# KiCad board Floppy Board v3.1.kicad_pcb
title: Floppy board 3.0; date: 2023-02-17; rev: 3.0
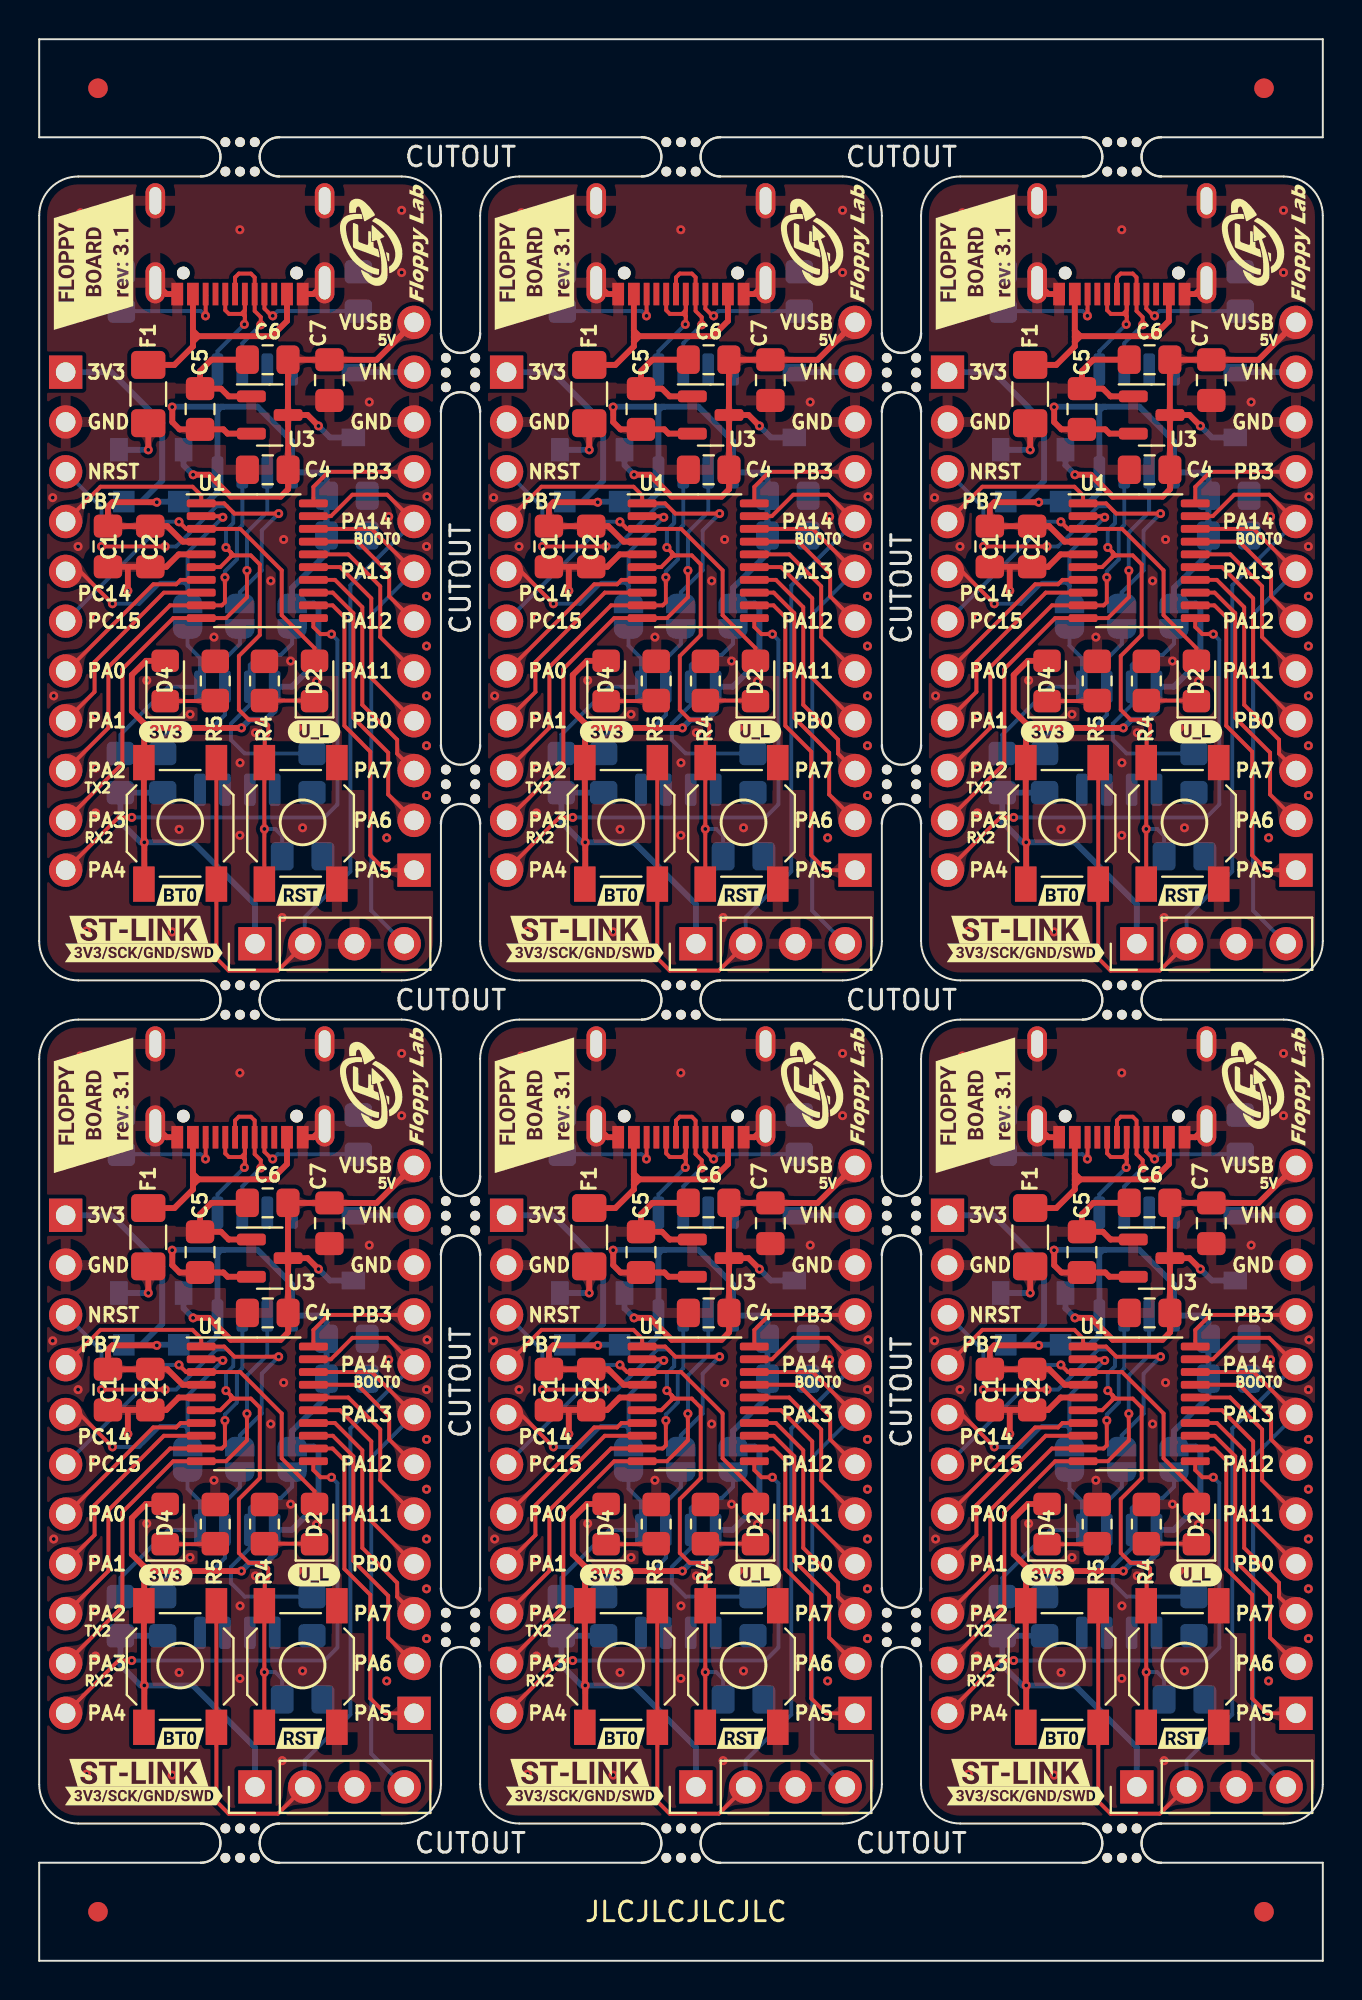
[diagram p0: board, top side]
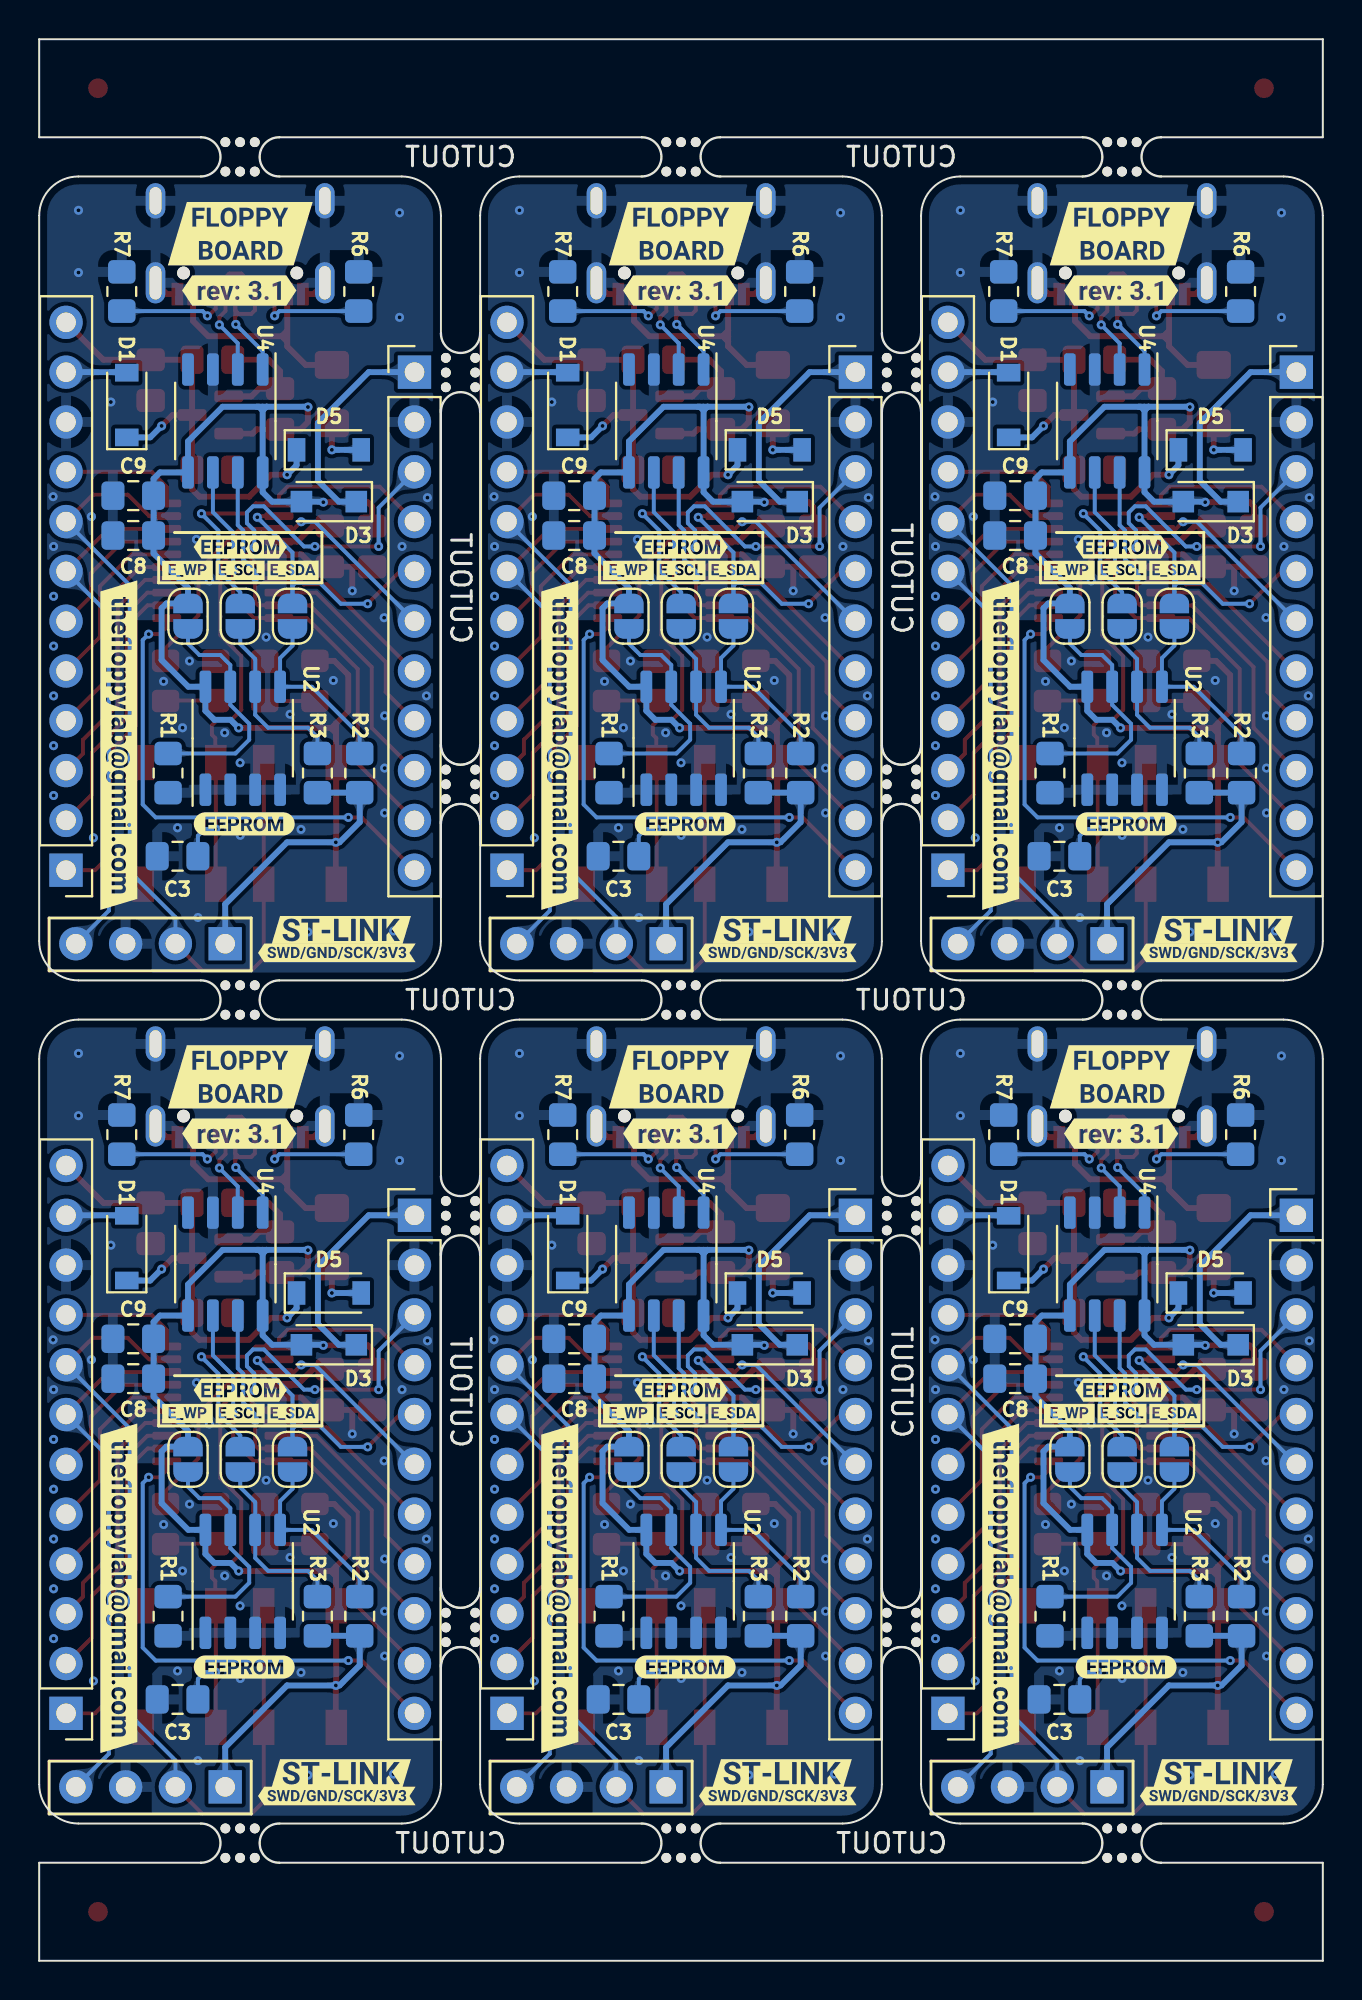
[diagram p1: board, bottom side, seen from below]

Outline 65.5 x 98 mm; copper layers: Top, Bottom. Coordinates in mm from the lower left corner of the outline.
Outline path: 8.25,93 0,93 0,98 65.5,98 65.5,93 57.25,93 ; 8.25,91 2,91 arc(0.59,90.41) 0,89 0,52 arc(0.59,50.59) 2,50 8.25,50 ; 8.25,48 2,48 arc(0.59,47.41) 0,46 0,9 arc(0.59,7.59) 2,7 8.25,7 ; 8.25,5 0,5 0,0 65.5,0 65.5,5 57.25,5 ; 12.25,93 30.75,93 ; 12.25,50 18.5,50 arc(19.91,50.59) 20.5,52 20.5,58 ; 12.25,48 18.5,48 arc(19.91,47.41) 20.5,46 20.5,40 ; 12.25,7 18.5,7 arc(19.91,7.59) 20.5,9 20.5,15 ; 12.25,91 18.5,91 arc(19.91,90.41) 20.5,89 20.5,83 ; 20.5,79 20.5,62 ; 20.5,19 20.5,36 ; 22.5,83 22.5,89 arc(23.09,90.41) 24.5,91 30.75,91 ; 22.5,79 22.5,62 ; 22.5,58 22.5,52 arc(23.09,50.59) 24.5,50 30.75,50 ; 22.5,40 22.5,46 arc(23.09,47.41) 24.5,48 30.75,48 ; 22.5,36 22.5,19 ; 22.5,15 22.5,9 arc(23.09,7.59) 24.5,7 30.75,7 ; 30.75,5 12.25,5 ; 34.75,93 53.25,93 ; 34.75,50 41,50 arc(42.41,50.59) 43,52 43,58 ; 34.75,48 41,48 arc(42.41,47.41) 43,46 43,40 ; 34.75,7 41,7 arc(42.41,7.59) 43,9 43,15 ; 34.75,5 53.25,5 ; 34.75,91 41,91 arc(42.41,90.41) 43,89 43,83 ; 43,79 43,62 ; 43,19 43,36 ; 45,83 45,89 arc(45.59,90.41) 47,91 53.25,91 ; 45,62 45,79 ; 45,58 45,52 arc(45.59,50.59) 47,50 53.25,50 ; 45,40 45,46 arc(45.59,47.41) 47,48 53.25,48 ; 45,36 45,19 ; 45,15 45,9 arc(45.59,7.59) 47,7 53.25,7 ; 57.25,50 63.5,50 arc(64.91,50.59) 65.5,52 65.5,89 arc(64.91,90.41) 63.5,91 57.25,91 ; 57.25,48 63.5,48 arc(64.91,47.41) 65.5,46 65.5,9 arc(64.91,7.59) 63.5,7 57.25,7
Stack: Top 0.035mm / dielectric 1.51mm FR4 er 4.5 / Bottom 0.035mm

## Placement (name value [footprint] x y rotation side)
C1  4.7uF  [C_0805_2012Metric_Pad1.18x1.45mm_HandSolder]  3.51 72.13 270 top
C1#2  4.7uF  [C_0805_2012Metric_Pad1.18x1.45mm_HandSolder]  48.51 72.13 270 top
C1#3  4.7uF  [C_0805_2012Metric_Pad1.18x1.45mm_HandSolder]  26.01 29.13 270 top
C1#4  4.7uF  [C_0805_2012Metric_Pad1.18x1.45mm_HandSolder]  48.51 29.13 270 top
C1#5  4.7uF  [C_0805_2012Metric_Pad1.18x1.45mm_HandSolder]  26.01 72.13 270 top
C1#6  4.7uF  [C_0805_2012Metric_Pad1.18x1.45mm_HandSolder]  3.51 29.13 270 top
C2  100nF  [C_0805_2012Metric_Pad1.18x1.45mm_HandSolder]  50.67 72.13 270 top
C2#2  100nF  [C_0805_2012Metric_Pad1.18x1.45mm_HandSolder]  28.17 29.13 270 top
C2#3  100nF  [C_0805_2012Metric_Pad1.18x1.45mm_HandSolder]  28.17 72.13 270 top
C2#4  100nF  [C_0805_2012Metric_Pad1.18x1.45mm_HandSolder]  5.67 72.13 270 top
C2#5  100nF  [C_0805_2012Metric_Pad1.18x1.45mm_HandSolder]  50.67 29.13 270 top
C2#6  100nF  [C_0805_2012Metric_Pad1.18x1.45mm_HandSolder]  5.67 29.13 270 top
C3  100nF  [C_0805_2012Metric_Pad1.18x1.45mm_HandSolder]  13.44 56.33 0 bottom
C3#2  100nF  [C_0805_2012Metric_Pad1.18x1.45mm_HandSolder]  35.94 13.33 0 bottom
C3#3  100nF  [C_0805_2012Metric_Pad1.18x1.45mm_HandSolder]  35.94 56.33 0 bottom
C3#4  100nF  [C_0805_2012Metric_Pad1.18x1.45mm_HandSolder]  58.44 56.33 0 bottom
C3#5  100nF  [C_0805_2012Metric_Pad1.18x1.45mm_HandSolder]  58.44 13.33 0 bottom
C3#6  100nF  [C_0805_2012Metric_Pad1.18x1.45mm_HandSolder]  13.44 13.33 0 bottom
C4  1uF  [C_0805_2012Metric_Pad1.18x1.45mm_HandSolder]  34.16 33.04 180 top
C4#2  1uF  [C_0805_2012Metric_Pad1.18x1.45mm_HandSolder]  34.16 76.04 180 top
C4#3  1uF  [C_0805_2012Metric_Pad1.18x1.45mm_HandSolder]  56.66 76.04 180 top
C4#4  1uF  [C_0805_2012Metric_Pad1.18x1.45mm_HandSolder]  11.66 76.04 180 top
C4#5  1uF  [C_0805_2012Metric_Pad1.18x1.45mm_HandSolder]  56.66 33.04 180 top
C4#6  1uF  [C_0805_2012Metric_Pad1.18x1.45mm_HandSolder]  11.66 33.04 180 top
C5  1uF  [C_0805_2012Metric_Pad1.18x1.45mm_HandSolder]  30.71 79.14 90 top
C5#2  1uF  [C_0805_2012Metric_Pad1.18x1.45mm_HandSolder]  53.21 79.14 90 top
C5#3  1uF  [C_0805_2012Metric_Pad1.18x1.45mm_HandSolder]  53.21 36.14 90 top
C5#4  1uF  [C_0805_2012Metric_Pad1.18x1.45mm_HandSolder]  8.21 79.14 90 top
C5#5  1uF  [C_0805_2012Metric_Pad1.18x1.45mm_HandSolder]  30.71 36.14 90 top
C5#6  1uF  [C_0805_2012Metric_Pad1.18x1.45mm_HandSolder]  8.21 36.14 90 top
C6  100nF  [C_0805_2012Metric_Pad1.18x1.45mm_HandSolder]  34.16 38.65 180 top
C6#2  100nF  [C_0805_2012Metric_Pad1.18x1.45mm_HandSolder]  34.16 81.66 180 top
C6#3  100nF  [C_0805_2012Metric_Pad1.18x1.45mm_HandSolder]  56.66 81.66 180 top
C6#4  100nF  [C_0805_2012Metric_Pad1.18x1.45mm_HandSolder]  56.66 38.65 180 top
C6#5  100nF  [C_0805_2012Metric_Pad1.18x1.45mm_HandSolder]  11.66 81.66 180 top
C6#6  100nF  [C_0805_2012Metric_Pad1.18x1.45mm_HandSolder]  11.66 38.65 180 top
C7  10uF  [C_0805_2012Metric_Pad1.18x1.45mm_HandSolder]  37.31 80.61 270 top
C7#2  10uF  [C_0805_2012Metric_Pad1.18x1.45mm_HandSolder]  59.81 37.61 270 top
C7#3  10uF  [C_0805_2012Metric_Pad1.18x1.45mm_HandSolder]  14.81 37.61 270 top
C7#4  10uF  [C_0805_2012Metric_Pad1.18x1.45mm_HandSolder]  37.31 37.61 270 top
C7#5  10uF  [C_0805_2012Metric_Pad1.18x1.45mm_HandSolder]  59.81 80.61 270 top
C7#6  10uF  [C_0805_2012Metric_Pad1.18x1.45mm_HandSolder]  14.81 80.61 270 top
C8  100nF  [C_0805_2012Metric_Pad1.18x1.45mm_HandSolder]  38.2 72.69 0 bottom
C8#2  100nF  [C_0805_2012Metric_Pad1.18x1.45mm_HandSolder]  15.7 72.69 0 bottom
C8#3  100nF  [C_0805_2012Metric_Pad1.18x1.45mm_HandSolder]  60.7 29.69 0 bottom
C8#4  100nF  [C_0805_2012Metric_Pad1.18x1.45mm_HandSolder]  60.7 72.69 0 bottom
C8#5  100nF  [C_0805_2012Metric_Pad1.18x1.45mm_HandSolder]  15.7 29.69 0 bottom
C8#6  100nF  [C_0805_2012Metric_Pad1.18x1.45mm_HandSolder]  38.2 29.69 0 bottom
C9  100nF  [C_0805_2012Metric_Pad1.18x1.45mm_HandSolder]  38.2 31.72 0 bottom
C9#2  100nF  [C_0805_2012Metric_Pad1.18x1.45mm_HandSolder]  38.2 74.72 0 bottom
C9#3  100nF  [C_0805_2012Metric_Pad1.18x1.45mm_HandSolder]  15.7 31.72 0 bottom
C9#4  100nF  [C_0805_2012Metric_Pad1.18x1.45mm_HandSolder]  60.7 74.72 0 bottom
C9#5  100nF  [C_0805_2012Metric_Pad1.18x1.45mm_HandSolder]  60.7 31.72 0 bottom
C9#6  100nF  [C_0805_2012Metric_Pad1.18x1.45mm_HandSolder]  15.7 74.72 0 bottom
D1  SD103AW  [D_SOD-123]  38.53 79.34 90 bottom
D1#2  SD103AW  [D_SOD-123]  16.03 79.34 90 bottom
D1#3  SD103AW  [D_SOD-123]  61.03 79.34 90 bottom
D1#4  SD103AW  [D_SOD-123]  16.03 36.34 90 bottom
D1#5  SD103AW  [D_SOD-123]  61.03 36.34 90 bottom
D1#6  SD103AW  [D_SOD-123]  38.53 36.34 90 bottom
D2  USER_LED  [LED_0805_2012Metric_Pad1.15x1.40mm_HandSolder]  59.05 65.27 90 top
D2#2  USER_LED  [LED_0805_2012Metric_Pad1.15x1.40mm_HandSolder]  36.55 22.27 90 top
D2#3  USER_LED  [LED_0805_2012Metric_Pad1.15x1.40mm_HandSolder]  36.55 65.27 90 top
D2#4  USER_LED  [LED_0805_2012Metric_Pad1.15x1.40mm_HandSolder]  14.05 65.27 90 top
D2#5  USER_LED  [LED_0805_2012Metric_Pad1.15x1.40mm_HandSolder]  14.05 22.27 90 top
D2#6  USER_LED  [LED_0805_2012Metric_Pad1.15x1.40mm_HandSolder]  59.05 22.27 90 top
D3  SD103AW  [D_SOD-123F]  5.72 31.42 0 bottom
D3#2  SD103AW  [D_SOD-123F]  28.22 31.42 0 bottom
D3#3  SD103AW  [D_SOD-123F]  50.72 74.42 0 bottom
D3#4  SD103AW  [D_SOD-123F]  28.22 74.42 0 bottom
D3#5  SD103AW  [D_SOD-123F]  50.72 31.42 0 bottom
D3#6  SD103AW  [D_SOD-123F]  5.72 74.42 0 bottom
D4  3V3_POWER_LED  [LED_0805_2012Metric_Pad1.15x1.40mm_HandSolder]  28.93 65.27 90 top
D4#2  3V3_POWER_LED  [LED_0805_2012Metric_Pad1.15x1.40mm_HandSolder]  28.93 22.27 90 top
D4#3  3V3_POWER_LED  [LED_0805_2012Metric_Pad1.15x1.40mm_HandSolder]  6.43 65.27 90 top
D4#4  3V3_POWER_LED  [LED_0805_2012Metric_Pad1.15x1.40mm_HandSolder]  51.43 22.27 90 top
D4#5  3V3_POWER_LED  [LED_0805_2012Metric_Pad1.15x1.40mm_HandSolder]  6.43 22.27 90 top
D4#6  3V3_POWER_LED  [LED_0805_2012Metric_Pad1.15x1.40mm_HandSolder]  51.43 65.27 90 top
D5  SD103AW  [D_SOD-123]  50.72 77.06 180 bottom
D5#2  SD103AW  [D_SOD-123]  50.72 34.06 180 bottom
D5#3  SD103AW  [D_SOD-123]  28.22 34.06 180 bottom
D5#4  SD103AW  [D_SOD-123]  5.72 77.06 180 bottom
D5#5  SD103AW  [D_SOD-123]  5.72 34.06 180 bottom
D5#6  SD103AW  [D_SOD-123]  28.22 77.06 180 bottom
F1  500mA  [Fuse_1206_3216Metric_Pad1.42x1.75mm_HandSolder]  50.57 36.9 270 top
F1#2  500mA  [Fuse_1206_3216Metric_Pad1.42x1.75mm_HandSolder]  28.07 36.9 270 top
F1#3  500mA  [Fuse_1206_3216Metric_Pad1.42x1.75mm_HandSolder]  50.57 79.9 270 top
F1#4  500mA  [Fuse_1206_3216Metric_Pad1.42x1.75mm_HandSolder]  5.57 36.9 270 top
F1#5  500mA  [Fuse_1206_3216Metric_Pad1.42x1.75mm_HandSolder]  5.57 79.9 270 top
F1#6  500mA  [Fuse_1206_3216Metric_Pad1.42x1.75mm_HandSolder]  28.07 79.9 270 top
G***  -  [LOGO]  62.7 87.59 90 top
G***#2  -  [LOGO]  62.7 44.59 90 top
G***#3  -  [LOGO]  17.7 44.59 90 top
G***#4  -  [LOGO]  40.2 87.59 90 top
G***#5  -  [LOGO]  17.7 87.59 90 top
G***#6  -  [LOGO]  40.2 44.59 90 top
J1  st-link  [PinHeader_1x04_P2.54mm_Vertical]  33.51 8.87 90 top
J1#2  st-link  [PinHeader_1x04_P2.54mm_Vertical]  33.51 51.87 90 top
J1#3  st-link  [PinHeader_1x04_P2.54mm_Vertical]  11.01 8.87 90 top
J1#4  st-link  [PinHeader_1x04_P2.54mm_Vertical]  56.01 8.87 90 top
J1#5  st-link  [PinHeader_1x04_P2.54mm_Vertical]  11.01 51.87 90 top
J1#6  st-link  [PinHeader_1x04_P2.54mm_Vertical]  56.01 51.87 90 top
J2  USB-C_304A-ACP16X  [USB_C_304A-ACP16X]  55.24 89.76 180 top
J2#2  USB-C_304A-ACP16X  [USB_C_304A-ACP16X]  32.74 89.76 180 top
J2#3  USB-C_304A-ACP16X  [USB_C_304A-ACP16X]  32.74 46.76 180 top
J2#4  USB-C_304A-ACP16X  [USB_C_304A-ACP16X]  10.25 46.76 180 top
J2#5  USB-C_304A-ACP16X  [USB_C_304A-ACP16X]  10.25 89.76 180 top
J2#6  USB-C_304A-ACP16X  [USB_C_304A-ACP16X]  55.24 46.76 180 top
J3  I/O SX  [PinHeader_1x11_P2.54mm_Vertical]  46.35 38.02 180 bottom
J3#2  I/O SX  [PinHeader_1x11_P2.54mm_Vertical]  1.35 38.02 180 bottom
J3#3  I/O SX  [PinHeader_1x11_P2.54mm_Vertical]  23.85 81.02 180 bottom
J3#4  I/O SX  [PinHeader_1x11_P2.54mm_Vertical]  1.35 81.02 180 bottom
J3#5  I/O SX  [PinHeader_1x11_P2.54mm_Vertical]  46.35 81.02 180 bottom
J3#6  I/O SX  [PinHeader_1x11_P2.54mm_Vertical]  23.85 38.02 180 bottom
J4  I/0 DX  [PinHeader_1x12_P2.54mm_Vertical]  19.13 55.62 0 bottom
J4#2  I/0 DX  [PinHeader_1x12_P2.54mm_Vertical]  19.13 12.62 0 bottom
J4#3  I/0 DX  [PinHeader_1x12_P2.54mm_Vertical]  41.63 55.62 0 bottom
J4#4  I/0 DX  [PinHeader_1x12_P2.54mm_Vertical]  64.13 12.62 0 bottom
J4#5  I/0 DX  [PinHeader_1x12_P2.54mm_Vertical]  64.13 55.62 0 bottom
J4#6  I/0 DX  [PinHeader_1x12_P2.54mm_Vertical]  41.63 12.62 0 bottom
JP1  SDA_JP  [SolderJumper-2_P1.3mm_Open_RoundedPad1.0x1.5mm]  52.57 25.57 90 bottom
JP1#2  SDA_JP  [SolderJumper-2_P1.3mm_Open_RoundedPad1.0x1.5mm]  7.57 68.57 90 bottom
JP1#3  SDA_JP  [SolderJumper-2_P1.3mm_Open_RoundedPad1.0x1.5mm]  30.07 25.57 90 bottom
JP1#4  SDA_JP  [SolderJumper-2_P1.3mm_Open_RoundedPad1.0x1.5mm]  7.57 25.57 90 bottom
JP1#5  SDA_JP  [SolderJumper-2_P1.3mm_Open_RoundedPad1.0x1.5mm]  52.57 68.57 90 bottom
JP1#6  SDA_JP  [SolderJumper-2_P1.3mm_Open_RoundedPad1.0x1.5mm]  30.07 68.57 90 bottom
JP2  SCL_JP  [SolderJumper-2_P1.3mm_Open_RoundedPad1.0x1.5mm]  55.24 68.57 90 bottom
JP2#2  SCL_JP  [SolderJumper-2_P1.3mm_Open_RoundedPad1.0x1.5mm]  32.74 68.57 90 bottom
JP2#3  SCL_JP  [SolderJumper-2_P1.3mm_Open_RoundedPad1.0x1.5mm]  10.24 25.57 90 bottom
JP2#4  SCL_JP  [SolderJumper-2_P1.3mm_Open_RoundedPad1.0x1.5mm]  10.24 68.57 90 bottom
JP2#5  SCL_JP  [SolderJumper-2_P1.3mm_Open_RoundedPad1.0x1.5mm]  32.74 25.57 90 bottom
JP2#6  SCL_JP  [SolderJumper-2_P1.3mm_Open_RoundedPad1.0x1.5mm]  55.24 25.57 90 bottom
JP3  WP_JP  [SolderJumper-2_P1.3mm_Open_RoundedPad1.0x1.5mm]  57.91 25.57 90 bottom
JP3#2  WP_JP  [SolderJumper-2_P1.3mm_Open_RoundedPad1.0x1.5mm]  12.91 25.57 90 bottom
JP3#3  WP_JP  [SolderJumper-2_P1.3mm_Open_RoundedPad1.0x1.5mm]  35.41 68.57 90 bottom
JP3#4  WP_JP  [SolderJumper-2_P1.3mm_Open_RoundedPad1.0x1.5mm]  57.91 68.57 90 bottom
JP3#5  WP_JP  [SolderJumper-2_P1.3mm_Open_RoundedPad1.0x1.5mm]  35.41 25.57 90 bottom
JP3#6  WP_JP  [SolderJumper-2_P1.3mm_Open_RoundedPad1.0x1.5mm]  12.91 68.57 90 bottom
kibuzzard-644D5A83  G***  [kibuzzard-644D5A83]  32.54 14.98 180 bottom
kibuzzard-644D5A83#2  G***  [kibuzzard-644D5A83]  32.54 57.98 180 bottom
kibuzzard-644D5A83#3  G***  [kibuzzard-644D5A83]  55.04 57.98 180 bottom
kibuzzard-644D5A83#4  G***  [kibuzzard-644D5A83]  10.04 57.98 180 bottom
kibuzzard-644D5A83#5  G***  [kibuzzard-644D5A83]  55.04 14.98 180 bottom
kibuzzard-644D5A83#6  G***  [kibuzzard-644D5A83]  10.04 14.98 180 bottom
kibuzzard-644D5AD1  G***  [kibuzzard-644D5AD1]  52.55 27.91 180 bottom
kibuzzard-644D5AD1#2  G***  [kibuzzard-644D5AD1]  30.05 70.91 180 bottom
kibuzzard-644D5AD1#3  G***  [kibuzzard-644D5AD1]  7.55 27.91 180 bottom
kibuzzard-644D5AD1#4  G***  [kibuzzard-644D5AD1]  7.55 70.91 180 bottom
kibuzzard-644D5AD1#5  G***  [kibuzzard-644D5AD1]  30.05 27.91 180 bottom
kibuzzard-644D5AD1#6  G***  [kibuzzard-644D5AD1]  52.55 70.91 180 bottom
kibuzzard-644D5AFD  G***  [kibuzzard-644D5AFD]  10.25 70.91 180 bottom
kibuzzard-644D5AFD#2  G***  [kibuzzard-644D5AFD]  55.25 70.91 180 bottom
kibuzzard-644D5AFD#3  G***  [kibuzzard-644D5AFD]  32.75 27.91 180 bottom
kibuzzard-644D5AFD#4  G***  [kibuzzard-644D5AFD]  32.75 70.91 180 bottom
kibuzzard-644D5AFD#5  G***  [kibuzzard-644D5AFD]  10.25 27.91 180 bottom
kibuzzard-644D5AFD#6  G***  [kibuzzard-644D5AFD]  55.25 27.91 180 bottom
kibuzzard-644D5B14  G***  [kibuzzard-644D5B14]  12.93 70.91 180 bottom
kibuzzard-644D5B14#2  G***  [kibuzzard-644D5B14]  35.43 70.91 180 bottom
kibuzzard-644D5B14#3  G***  [kibuzzard-644D5B14]  35.43 27.91 180 bottom
kibuzzard-644D5B14#4  G***  [kibuzzard-644D5B14]  57.93 70.91 180 bottom
kibuzzard-644D5B14#5  G***  [kibuzzard-644D5B14]  57.93 27.91 180 bottom
kibuzzard-644D5B14#6  G***  [kibuzzard-644D5B14]  12.93 27.91 180 bottom
kibuzzard-644D5C5F  G***  [kibuzzard-644D5C5F]  29.69 11.35 0 top
kibuzzard-644D5C5F#2  G***  [kibuzzard-644D5C5F]  7.19 54.35 0 top
kibuzzard-644D5C5F#3  G***  [kibuzzard-644D5C5F]  52.19 11.35 0 top
kibuzzard-644D5C5F#4  G***  [kibuzzard-644D5C5F]  52.19 54.35 0 top
kibuzzard-644D5C5F#5  G***  [kibuzzard-644D5C5F]  29.69 54.35 0 top
kibuzzard-644D5C5F#6  G***  [kibuzzard-644D5C5F]  7.19 11.35 0 top
kibuzzard-644D5C68  G***  [kibuzzard-644D5C68]  35.84 54.35 0 top
kibuzzard-644D5C68#2  G***  [kibuzzard-644D5C68]  58.34 11.35 0 top
kibuzzard-644D5C68#3  G***  [kibuzzard-644D5C68]  35.84 11.35 0 top
kibuzzard-644D5C68#4  G***  [kibuzzard-644D5C68]  13.34 11.35 0 top
kibuzzard-644D5C68#5  G***  [kibuzzard-644D5C68]  58.34 54.35 0 top
kibuzzard-644D5C68#6  G***  [kibuzzard-644D5C68]  13.34 54.35 0 top
kibuzzard-644D5C93  G***  [kibuzzard-644D5C93]  51.46 62.68 0 top
kibuzzard-644D5C93#2  G***  [kibuzzard-644D5C93]  6.46 62.68 0 top
kibuzzard-644D5C93#3  G***  [kibuzzard-644D5C93]  51.46 19.68 0 top
kibuzzard-644D5C93#4  G***  [kibuzzard-644D5C93]  28.96 19.68 0 top
kibuzzard-644D5C93#5  G***  [kibuzzard-644D5C93]  28.96 62.68 0 top
kibuzzard-644D5C93#6  G***  [kibuzzard-644D5C93]  6.46 19.68 0 top
kibuzzard-644D5CBA  G***  [kibuzzard-644D5CBA]  36.52 19.68 0 top
kibuzzard-644D5CBA#2  G***  [kibuzzard-644D5CBA]  36.52 62.68 0 top
kibuzzard-644D5CBA#3  G***  [kibuzzard-644D5CBA]  14.02 19.68 0 top
kibuzzard-644D5CBA#4  G***  [kibuzzard-644D5CBA]  14.02 62.68 0 top
kibuzzard-644D5CBA#5  G***  [kibuzzard-644D5CBA]  59.02 62.68 0 top
kibuzzard-644D5CBA#6  G***  [kibuzzard-644D5CBA]  59.02 19.68 0 top
kibuzzard-644D5F43  G***  [kibuzzard-644D5F43]  25.27 43.63 90 top
kibuzzard-644D5F43#2  G***  [kibuzzard-644D5F43]  47.77 86.63 90 top
kibuzzard-644D5F43#3  G***  [kibuzzard-644D5F43]  47.77 43.63 90 top
kibuzzard-644D5F43#4  G***  [kibuzzard-644D5F43]  25.27 86.63 90 top
kibuzzard-644D5F43#5  G***  [kibuzzard-644D5F43]  2.77 86.63 90 top
kibuzzard-644D5F43#6  G***  [kibuzzard-644D5F43]  2.77 43.63 90 top
kibuzzard-644D56F9  G***  [kibuzzard-644D56F9]  50.31 8.4 180 bottom
kibuzzard-644D56F9#2  G***  [kibuzzard-644D56F9]  50.31 51.4 180 bottom
kibuzzard-644D56F9#3  G***  [kibuzzard-644D56F9]  27.81 8.4 180 bottom
kibuzzard-644D56F9#4  G***  [kibuzzard-644D56F9]  5.31 8.4 180 bottom
kibuzzard-644D56F9#5  G***  [kibuzzard-644D56F9]  27.81 51.4 180 bottom
kibuzzard-644D56F9#6  G***  [kibuzzard-644D56F9]  5.31 51.4 180 bottom
kibuzzard-644D58F1  G***  [kibuzzard-644D58F1]  55.24 88.08 180 bottom
kibuzzard-644D58F1#2  G***  [kibuzzard-644D58F1]  32.74 45.08 180 bottom
kibuzzard-644D58F1#3  G***  [kibuzzard-644D58F1]  32.74 88.08 180 bottom
kibuzzard-644D58F1#4  G***  [kibuzzard-644D58F1]  55.24 45.08 180 bottom
kibuzzard-644D58F1#5  G***  [kibuzzard-644D58F1]  10.24 45.08 180 bottom
kibuzzard-644D58F1#6  G***  [kibuzzard-644D58F1]  10.24 88.08 180 bottom
kibuzzard-644D571B  G***  [kibuzzard-644D571B]  5.08 9.57 180 bottom
kibuzzard-644D571B#2  G***  [kibuzzard-644D571B]  27.58 9.57 180 bottom
kibuzzard-644D571B#3  G***  [kibuzzard-644D571B]  5.08 52.57 180 bottom
kibuzzard-644D571B#4  G***  [kibuzzard-644D571B]  27.58 52.57 180 bottom
kibuzzard-644D571B#5  G***  [kibuzzard-644D571B]  50.08 9.57 180 bottom
kibuzzard-644D571B#6  G***  [kibuzzard-644D571B]  50.08 52.57 180 bottom
kibuzzard-644D5750  G***  [kibuzzard-644D5750]  50.34 8.4 0 top
kibuzzard-644D5750#2  G***  [kibuzzard-644D5750]  27.84 51.4 0 top
kibuzzard-644D5750#3  G***  [kibuzzard-644D5750]  5.34 8.4 0 top
kibuzzard-644D5750#4  G***  [kibuzzard-644D5750]  50.34 51.4 0 top
kibuzzard-644D5750#5  G***  [kibuzzard-644D5750]  27.84 8.4 0 top
kibuzzard-644D5750#6  G***  [kibuzzard-644D5750]  5.34 51.4 0 top
kibuzzard-644D5758  G***  [kibuzzard-644D5758]  50.09 9.59 0 top
kibuzzard-644D5758#2  G***  [kibuzzard-644D5758]  5.09 52.59 0 top
kibuzzard-644D5758#3  G***  [kibuzzard-644D5758]  5.09 9.59 0 top
kibuzzard-644D5758#4  G***  [kibuzzard-644D5758]  27.59 52.59 0 top
kibuzzard-644D5758#5  G***  [kibuzzard-644D5758]  50.09 52.59 0 top
kibuzzard-644D5758#6  G***  [kibuzzard-644D5758]  27.59 9.59 0 top
kibuzzard-644D5814  G***  [kibuzzard-644D5814]  16.44 19 270 bottom
kibuzzard-644D5814#2  G***  [kibuzzard-644D5814]  38.94 19 270 bottom
kibuzzard-644D5814#3  G***  [kibuzzard-644D5814]  38.94 62 270 bottom
kibuzzard-644D5814#4  G***  [kibuzzard-644D5814]  61.44 62 270 bottom
kibuzzard-644D5814#5  G***  [kibuzzard-644D5814]  61.44 19 270 bottom
kibuzzard-644D5814#6  G***  [kibuzzard-644D5814]  16.44 62 270 bottom
kibuzzard-644D5953  G***  [kibuzzard-644D5953]  10.29 42.19 180 bottom
kibuzzard-644D5953#2  G***  [kibuzzard-644D5953]  55.29 85.19 180 bottom
kibuzzard-644D5953#3  G***  [kibuzzard-644D5953]  55.29 42.19 180 bottom
kibuzzard-644D5953#4  G***  [kibuzzard-644D5953]  10.29 85.19 180 bottom
kibuzzard-644D5953#5  G***  [kibuzzard-644D5953]  32.79 42.19 180 bottom
kibuzzard-644D5953#6  G***  [kibuzzard-644D5953]  32.79 85.19 180 bottom
kibuzzard-644D6722  G***  [kibuzzard-644D6722]  10.24 72.1 180 bottom
kibuzzard-644D6722#2  G***  [kibuzzard-644D6722]  55.24 29.1 180 bottom
kibuzzard-644D6722#3  G***  [kibuzzard-644D6722]  32.74 29.1 180 bottom
kibuzzard-644D6722#4  G***  [kibuzzard-644D6722]  32.74 72.1 180 bottom
kibuzzard-644D6722#5  G***  [kibuzzard-644D6722]  10.24 29.1 180 bottom
kibuzzard-644D6722#6  G***  [kibuzzard-644D6722]  55.24 72.1 180 bottom
mouse-bite-2mm-slot  VAL**  [mouse-bite-2mm-slot]  10.25 92 0 top
mouse-bite-2mm-slot#2  VAL**  [mouse-bite-2mm-slot]  55.25 92 0 top
mouse-bite-2mm-slot#3  VAL**  [mouse-bite-2mm-slot]  21.5 81 90 top
mouse-bite-2mm-slot#4  VAL**  [mouse-bite-2mm-slot]  21.5 38 90 top
mouse-bite-2mm-slot#5  VAL**  [mouse-bite-2mm-slot]  32.75 6 0 top
mouse-bite-2mm-slot#6  VAL**  [mouse-bite-2mm-slot]  10.25 6 0 top
mouse-bite-2mm-slot#7  VAL**  [mouse-bite-2mm-slot]  32.75 49 0 top
mouse-bite-2mm-slot#8  VAL**  [mouse-bite-2mm-slot]  44 81 90 top
mouse-bite-2mm-slot#9  VAL**  [mouse-bite-2mm-slot]  10.25 49 0 top
mouse-bite-2mm-slot#10  VAL**  [mouse-bite-2mm-slot]  55.25 6 0 top
mouse-bite-2mm-slot#11  VAL**  [mouse-bite-2mm-slot]  32.75 92 0 top
mouse-bite-2mm-slot#12  VAL**  [mouse-bite-2mm-slot]  55.25 49 0 top
mouse-bite-2mm-slot#13  VAL**  [mouse-bite-2mm-slot]  44 38 90 top
mouse-bite-2mm-slot#14  VAL**  [mouse-bite-2mm-slot]  21.5 60 270 bottom
mouse-bite-2mm-slot#15  VAL**  [mouse-bite-2mm-slot]  44 17 270 bottom
mouse-bite-2mm-slot#16  VAL**  [mouse-bite-2mm-slot]  21.5 17 270 bottom
mouse-bite-2mm-slot#17  VAL**  [mouse-bite-2mm-slot]  44 60 270 bottom
R1  10k  [R_0805_2012Metric_Pad1.20x1.40mm_HandSolder]  13.92 60.57 270 bottom
R1#2  10k  [R_0805_2012Metric_Pad1.20x1.40mm_HandSolder]  13.92 17.57 270 bottom
R1#3  10k  [R_0805_2012Metric_Pad1.20x1.40mm_HandSolder]  36.42 60.57 270 bottom
R1#4  10k  [R_0805_2012Metric_Pad1.20x1.40mm_HandSolder]  36.42 17.57 270 bottom
R1#5  10k  [R_0805_2012Metric_Pad1.20x1.40mm_HandSolder]  58.92 60.57 270 bottom